# Altium PCB AUV4.5-2 Lights Control Board.PcbDoc (part 1 of 2)
Units mm, origin at the board's own origin, x right, y up, seen from the top; angles counter-clockwise.
Board outline 55 x 65 mm, 4 copper layers (L1 (SIG + PWR), L2 (GND), L3 (GND), L4 (SIG + PWR)), stack 1.586 mm thick; 88 components, 83 nets, 348 pads, 169 vias.
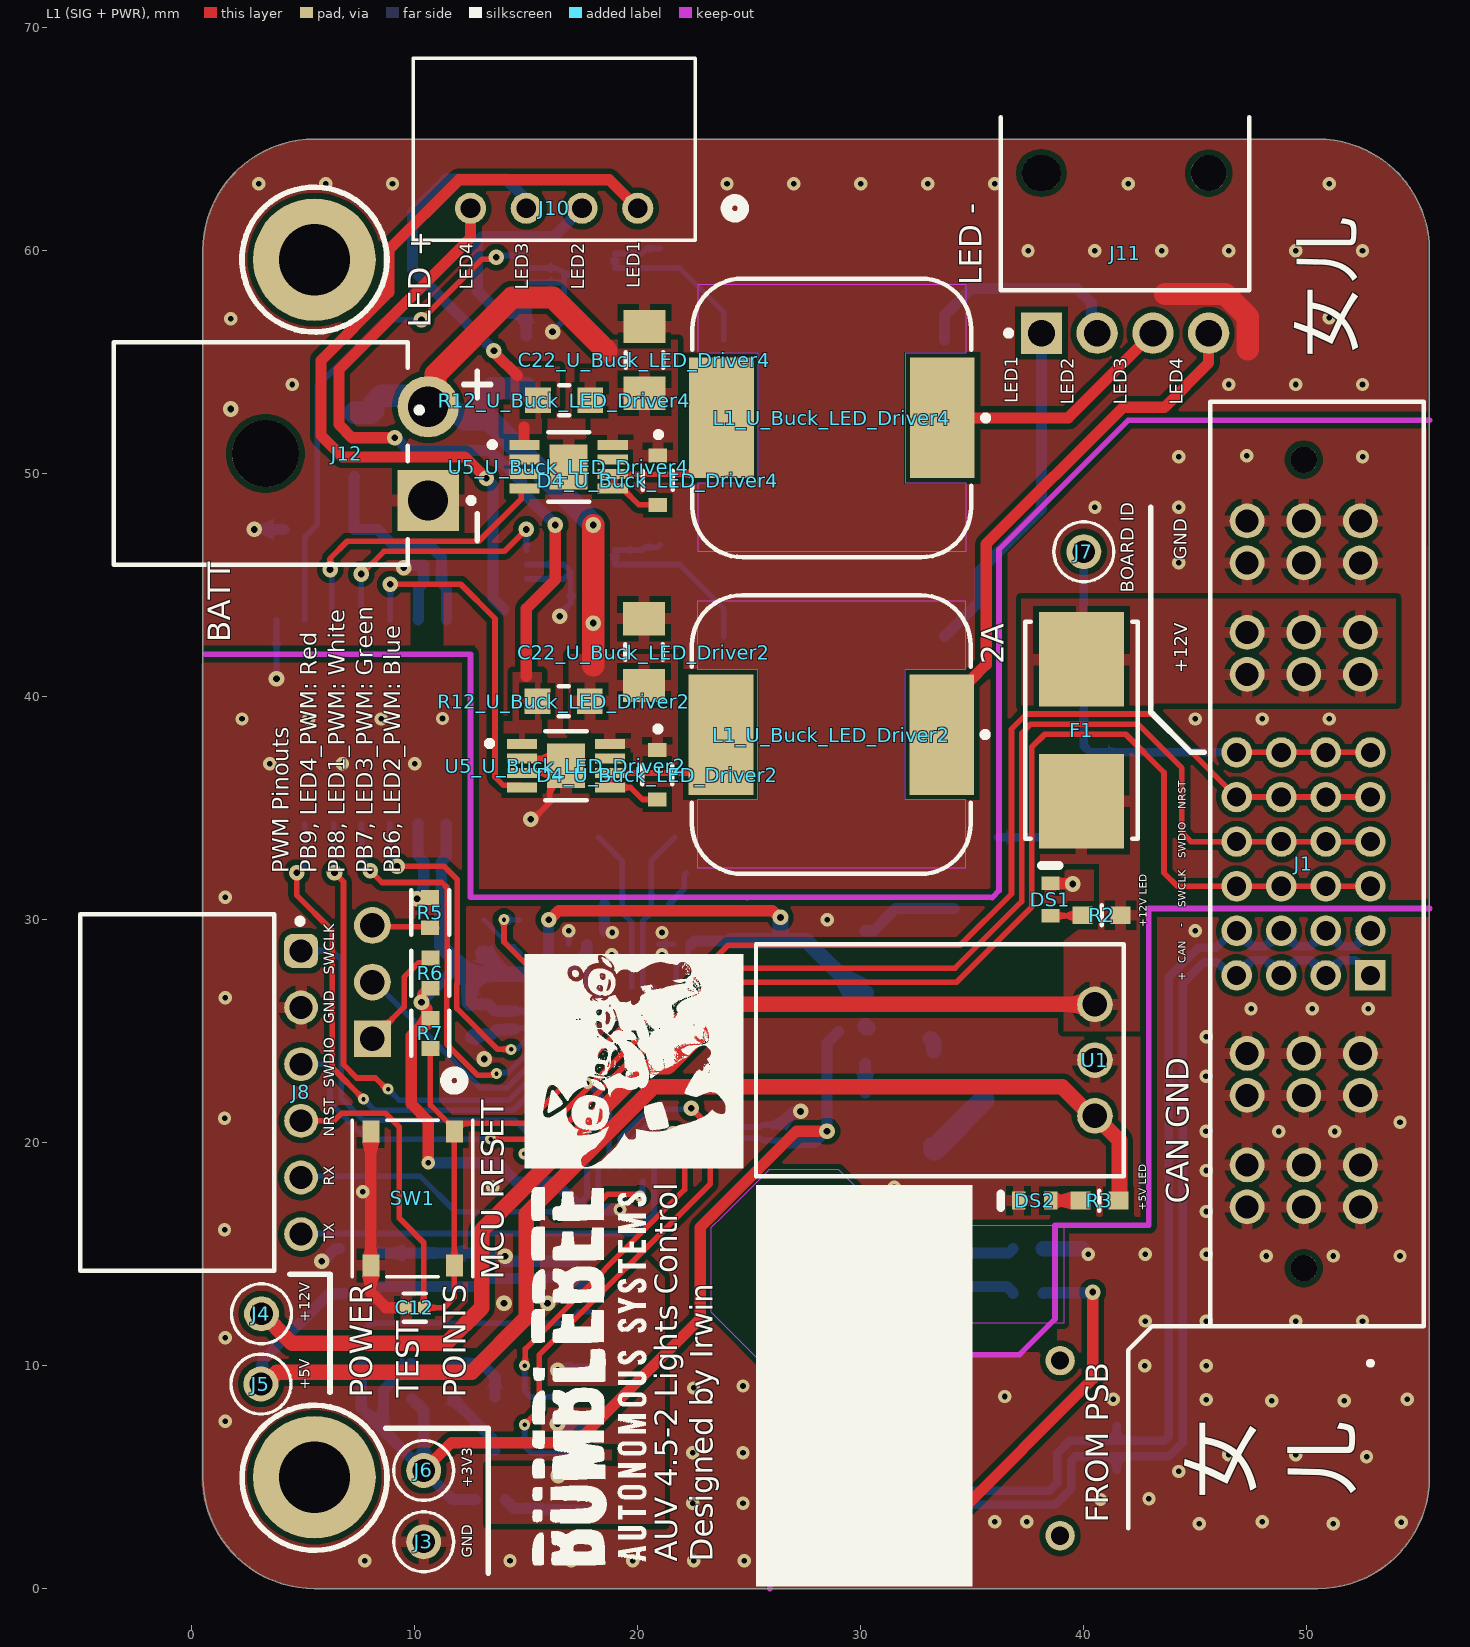
[diagram p0: L1 (SIG + PWR) view]
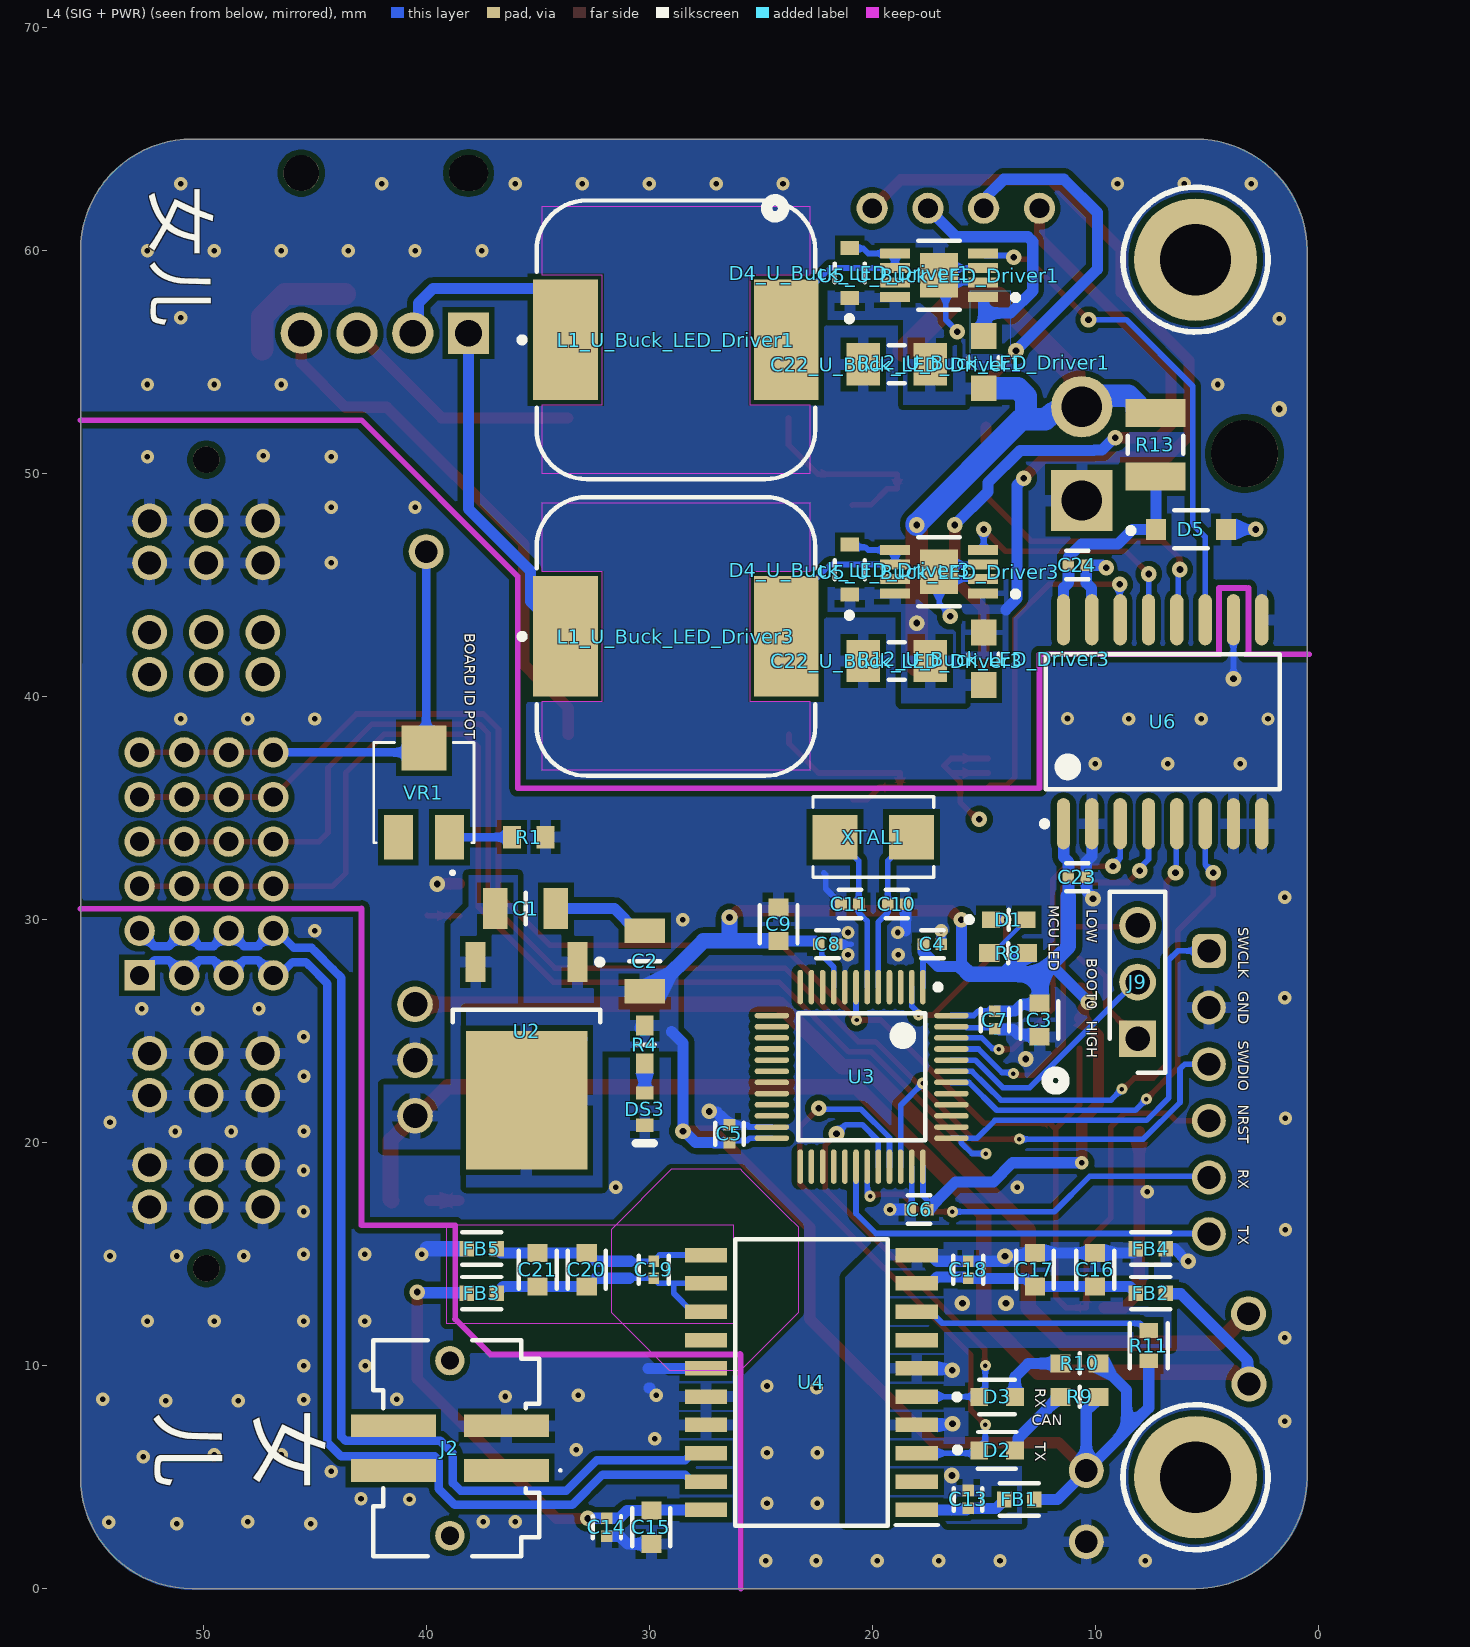
[diagram p1: L4 (SIG + PWR) view, seen from below]
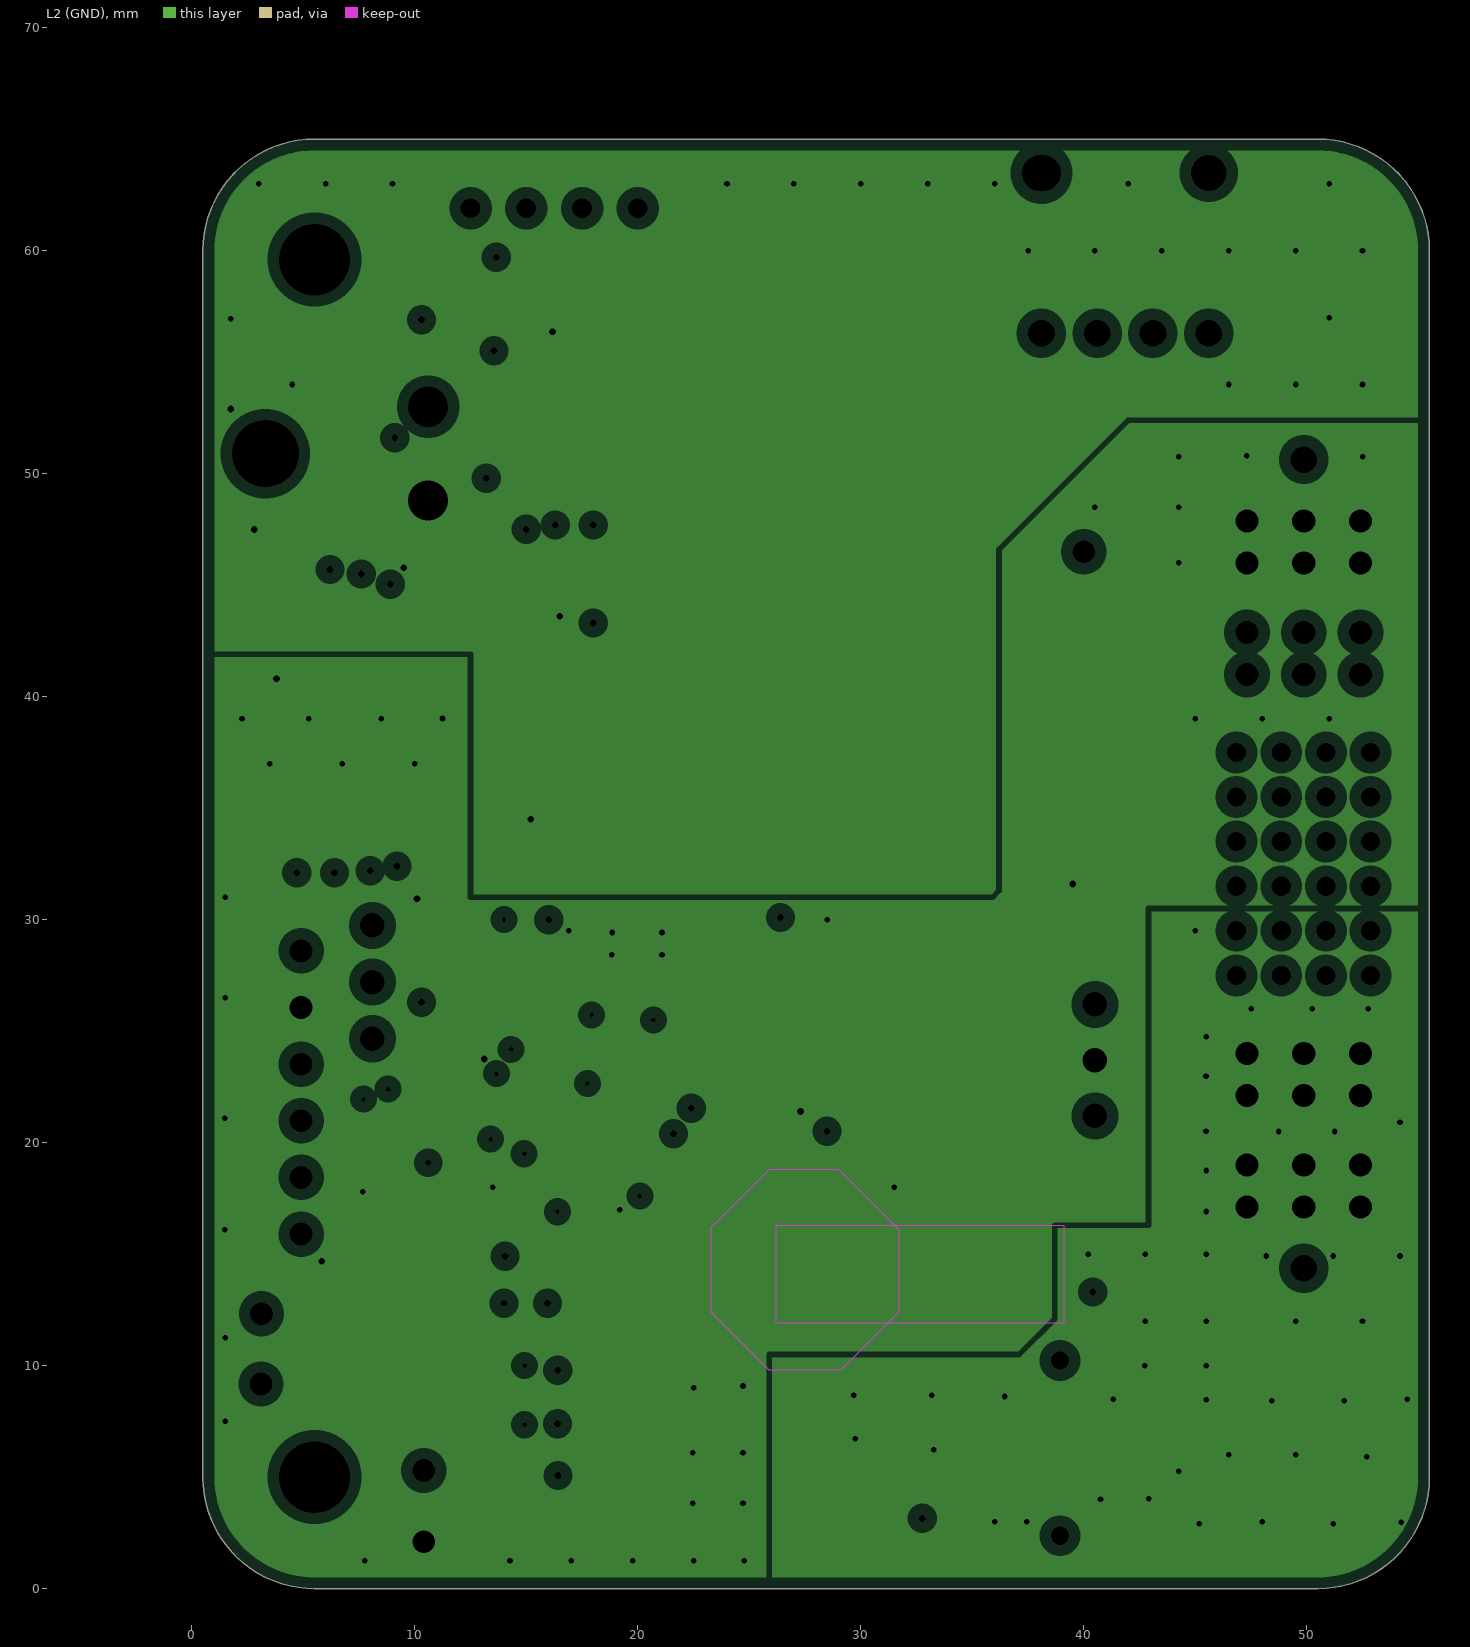
[diagram p2: L2 (GND), clearances drawn from the general rule]
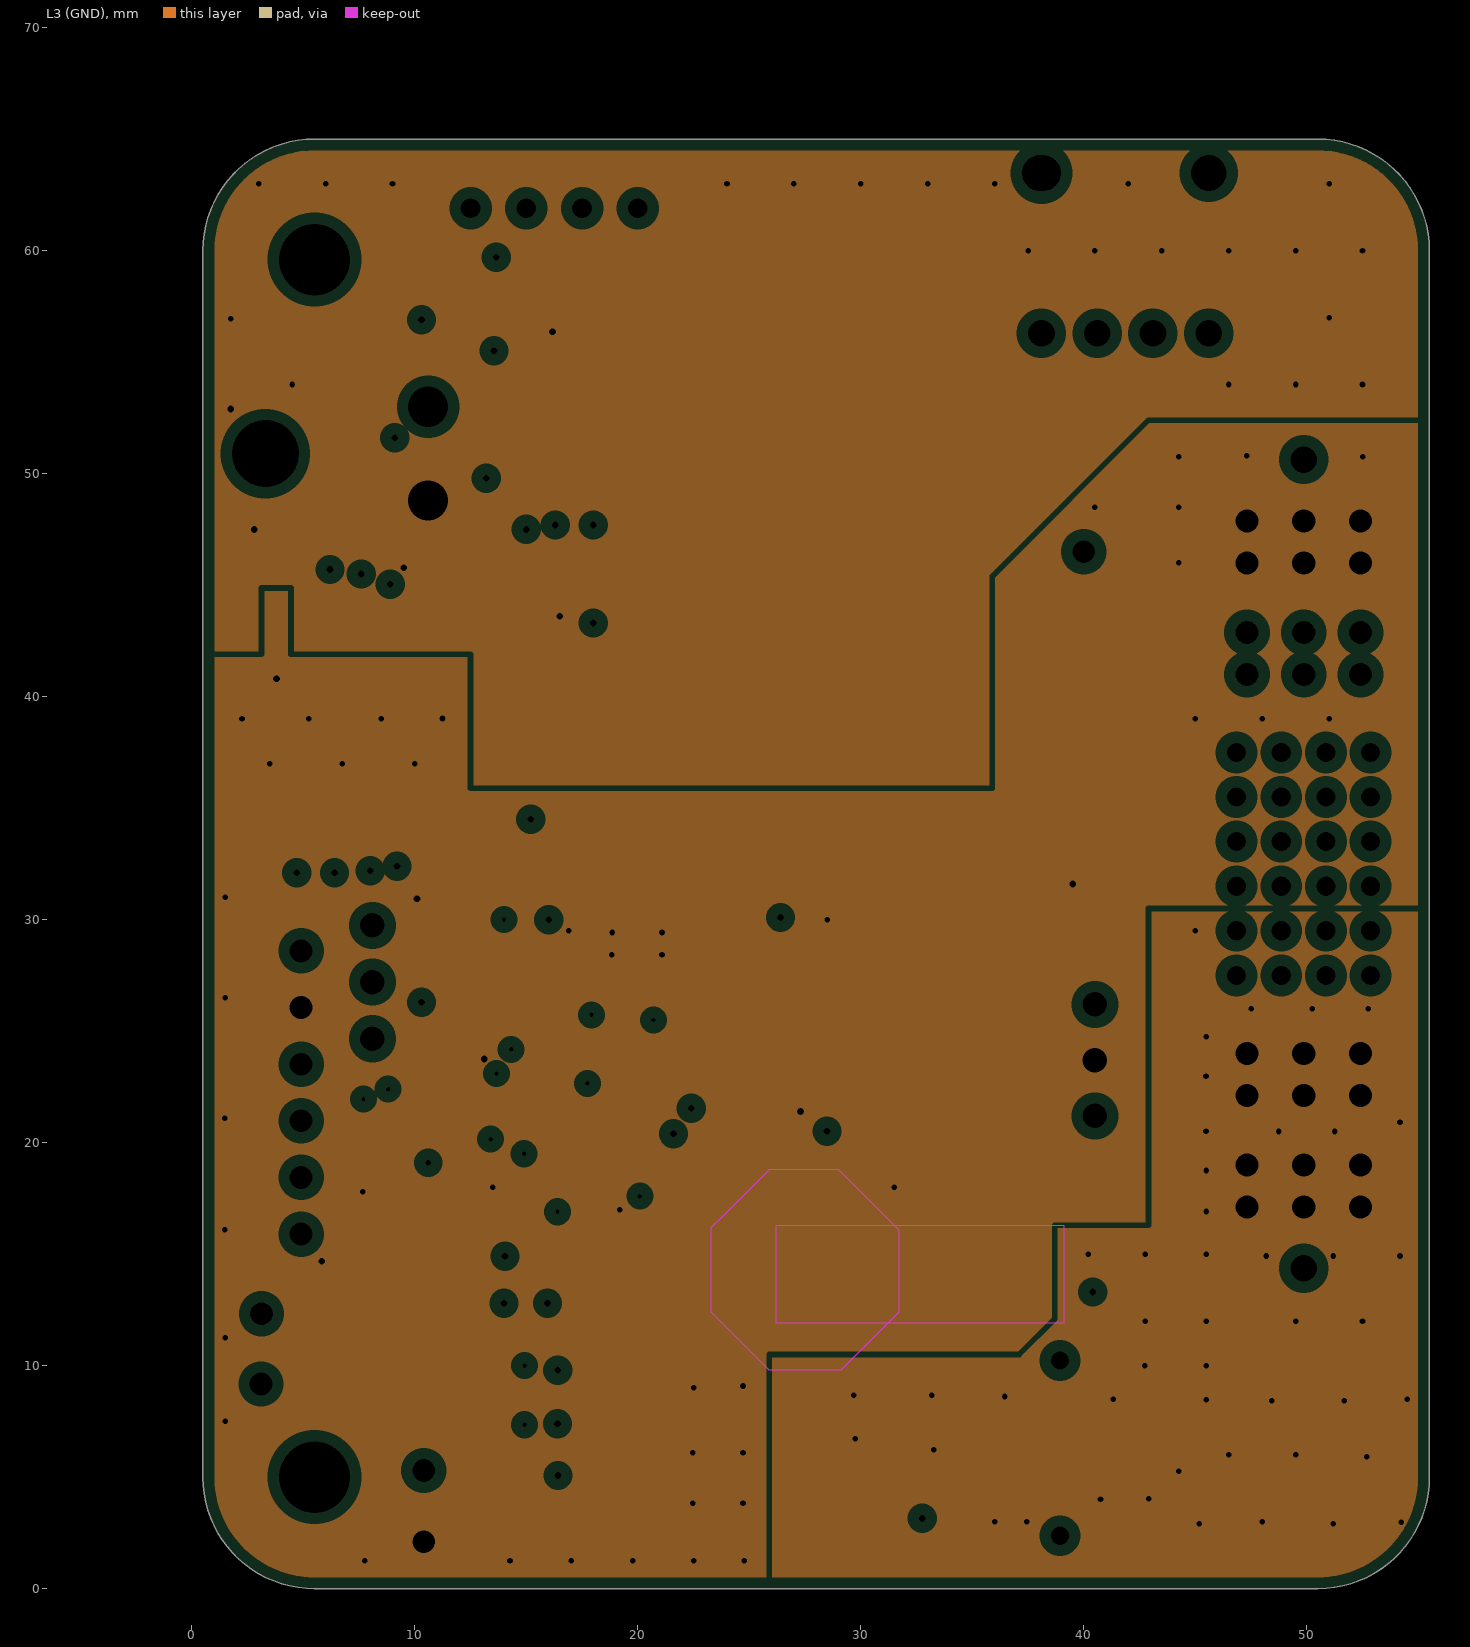
[diagram p3: L3 (GND), clearances drawn from the general rule]
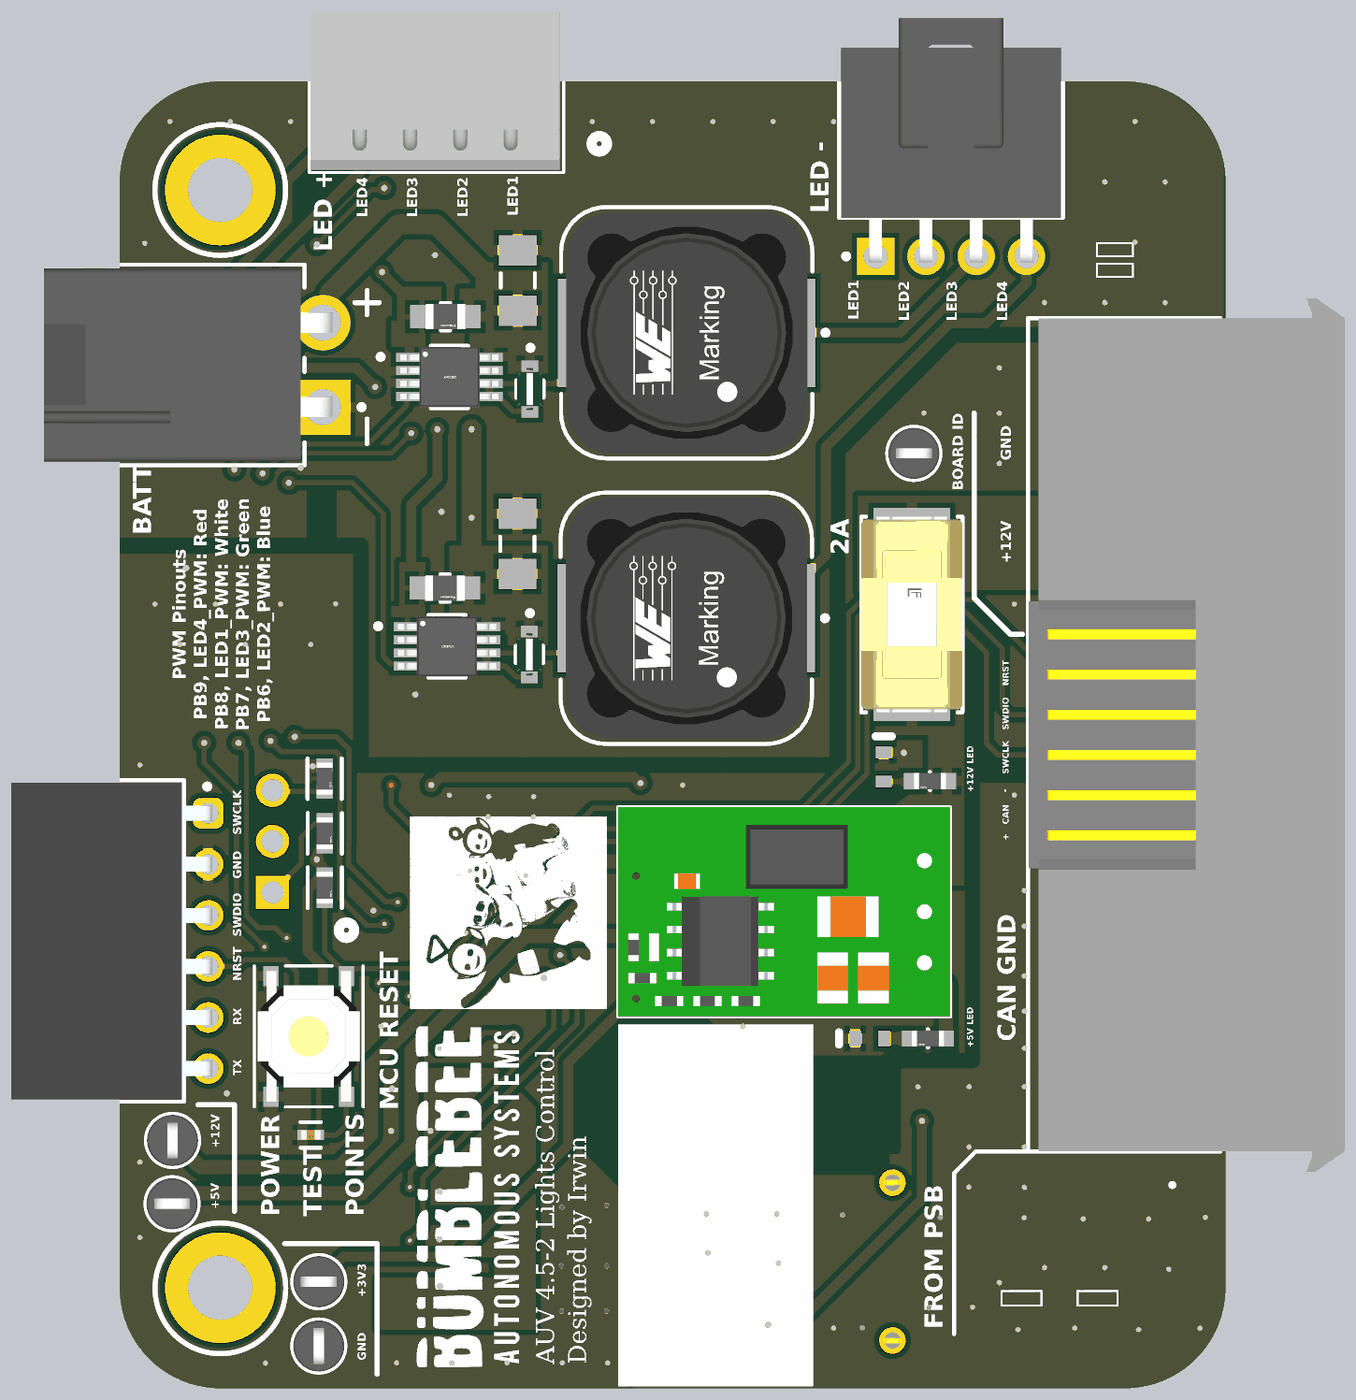
[diagram p5: 3D render of the assembled board from above, using the file's embedded part models]
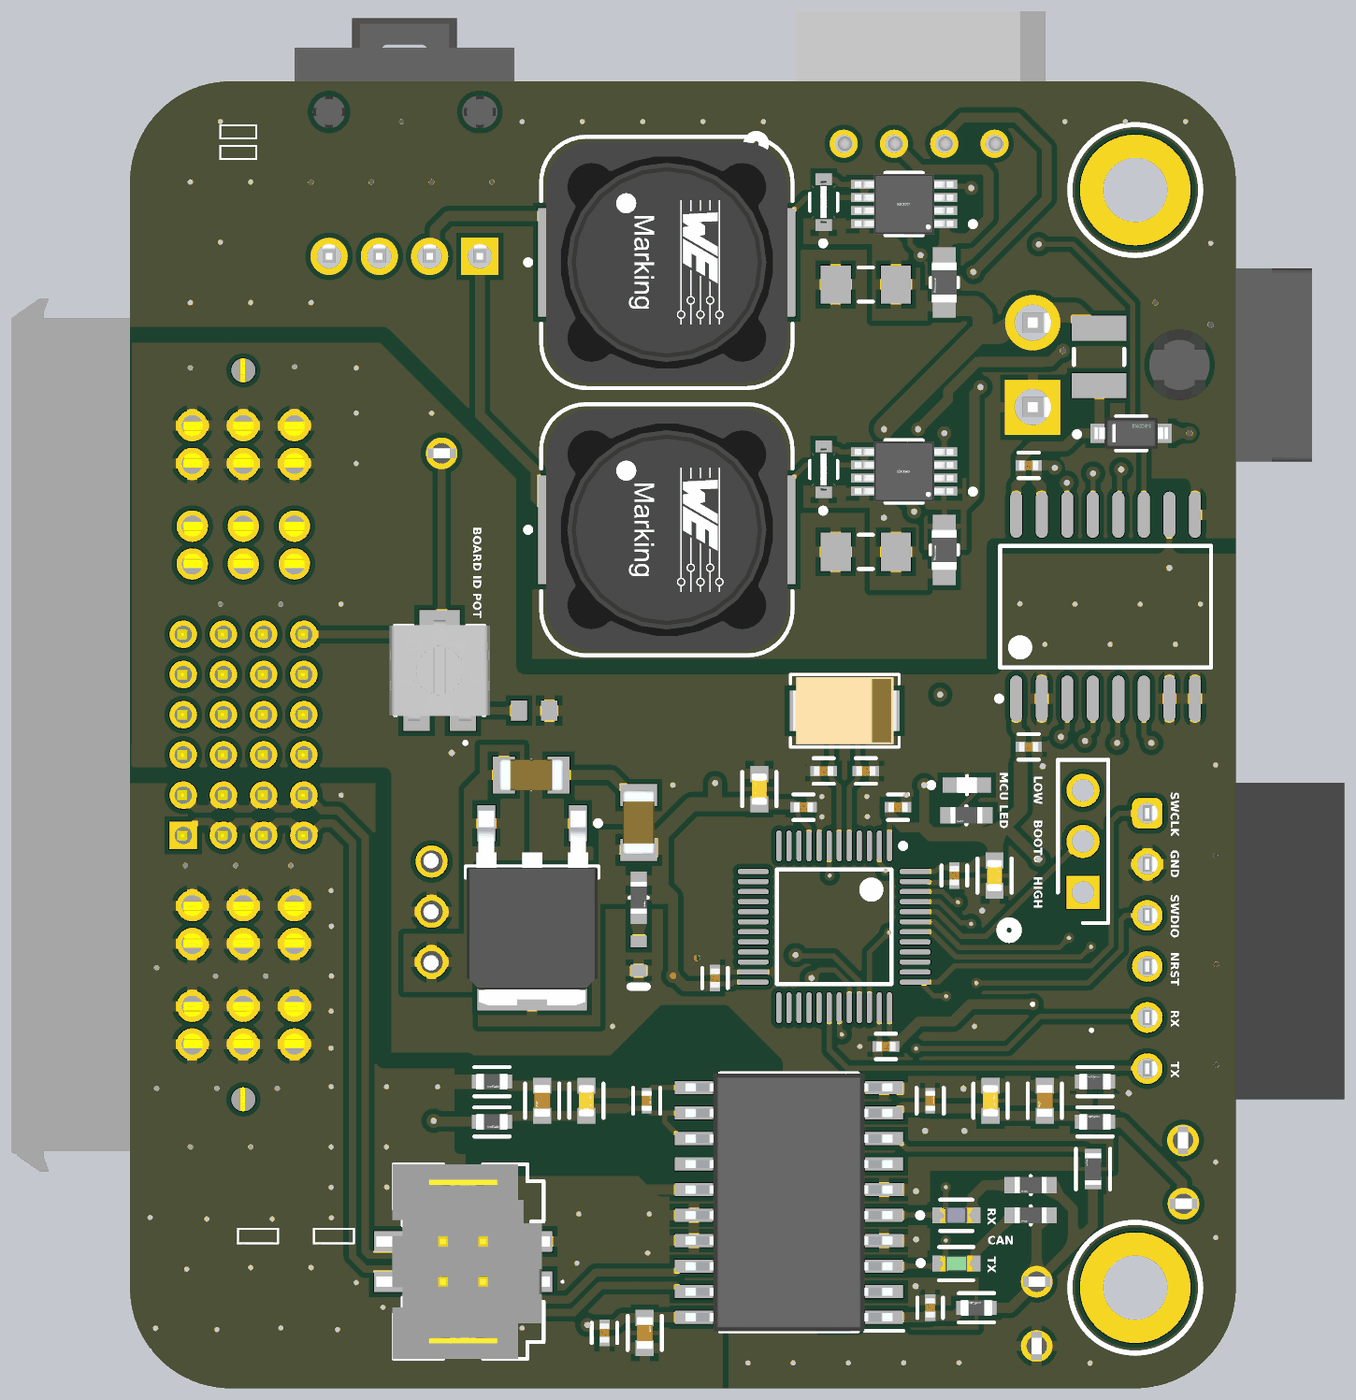
[diagram p6: 3D render of the assembled board from below, using the file's embedded part models]

## Layer stack, top to bottom
Top Solder: solder mask 0.0069, Solder Resist, Dk 3.5
L1 (SIG + PWR): signal copper 0.035
Dielectric 2: prepreg 0.2104, PP-006, Dk 4.1
L2 (GND): plane copper 0.0152, net (Multiple Nets)
Dielectric 1: dielectric 1.065, FR-4, Dk 4.8
L3 (GND): plane copper 0.0152, net (Multiple Nets)
Dielectric 3: prepreg 0.2104, PP-006, Dk 4.1
L4 (SIG + PWR): signal copper 0.035
Bottom Solder: solder mask 0.0069, Solder Resist, Dk 3.5

## Board outline
0.5,5 0.5,60 cw(c5.5,60) 5.5,65 50.5,65 cw(c50.5,60) 55.5,60 55.5,5 cw(c50.5,5) 50.5,0 5.5,0 cw(c5.5,5)

## Design rules (kind name [scope] priority, off if disabled: settings)
Clearance "Clearance High Voltage" [(InNetClass('High Voltage Nets'))] p1: gap=1 ignorepadtopadclearanceinfootprint=FALSE except(0: SMDPad-Hole THPad-Hole Via-Hole Fill-Hole Poly-Hole Region-Hole Text-Hole; 0.254: Arc-Text Arc-Hole Track-Text Track-Hole SMDPad-Text THPad-Text Via-Text Fill-Text Poly-Text Region-Text Text-Text; 0.6: THPad-THPad; 0.65: SMDPad-SMDPad; 0.8: Arc-SMDPad Track-SMDPad)
Clearance Clearance_DiffNet [All] p2: gap=0.254 ignorepadtopadclearanceinfootprint=TRUE except(0.127: SMDPad-SMDPad; 0.2: Arc-Arc Arc-Track Arc-SMDPad Track-Track Track-SMDPad; 0.33: Arc-THPad Track-THPad)
Clearance Clearance_SameNetTrack [IsTrack vs IsTrack] p3: gap=0.25 ignorepadtopadclearanceinfootprint=TRUE
ComponentClearance [All] p1: gap=0.254 collisioncheckmode=3 verticalgap=0.254 showdistances=TRUE checkcomponentboundary=TRUE
DiffPairsRouting [All] p1: maxlimit=0.254 minlimit=0.254 mostfreqgap=0.254 toplayer_minwidth=0.254 toplayer_maxwidth=0.381 toplayer_prefwidth=0.381 bottomlayer_minwidth=0.254 bottomlayer_maxwidth=0.381 bottomlayer_prefwidth=0.381 maxuncoupledlength=12.7
Height [All] p1: minheight=0 maxheight=50 prefheight=5
HoleSize [All] p1: absolutevalues=TRUE maxlimit=6.3 minlimit=0.2 maxpercent=80.000 minpercent=20.000
MinimumSolderMaskSliver [All] p1: minsoldermaskwidth=0.051
PlaneClearance "PlaneClearance_High Voltage" [InNetClass('High Voltage Nets')] p1: clearance=1
PlaneClearance [All] p2: clearance=0.508
PlaneConnect PlaneConnect_GroundClass [InNetClass('Ground')] p1: planeconnectstyle=Direct reliefexpansion=0.508 reliefentries=4 reliefconductorwidth=0.508 reliefairgap=0.254
PlaneConnect PlaneConnect_PowerClass [InNetClass('Power')] p2: planeconnectstyle=Direct reliefexpansion=0.508 reliefentries=4 reliefconductorwidth=0.508 reliefairgap=0.254
PolygonConnect PolygonConnect_PowerClass [InNetClass('Power')] p1: thpad.connectstyle=Relief thpad.reliefconductorwidth=0.508 thpad.reliefentries=4 thpad.polygonreliefangle="90 Angle" thpad.airgapwidth=0.254 smdpad.connectstyle=Relief smdpad.reliefconductorwidth=0.508 smdpad.reliefentries=4 smdpad.polygonreliefangle="90 Angle" smdpad.airgapwidth=0.254 via.connectstyle=Direct via.reliefconductorwidth=0.508 via.reliefentries=4 via.polygonreliefangle="90 Angle" via.airgapwidth=0.254
PolygonConnect PolygonConnect_GroundClass [InNetClass('Ground')] p2: thpad.connectstyle=Relief thpad.reliefconductorwidth=0.508 thpad.reliefentries=4 thpad.polygonreliefangle="90 Angle" thpad.airgapwidth=0.254 smdpad.connectstyle=Relief smdpad.reliefconductorwidth=0.508 smdpad.reliefentries=4 smdpad.polygonreliefangle="90 Angle" smdpad.airgapwidth=0.254 via.connectstyle=Direct via.reliefconductorwidth=0.508 via.reliefentries=4 via.polygonreliefangle="90 Angle" via.airgapwidth=0.254
PolygonConnect [All] p3: thpad.connectstyle=Relief thpad.reliefconductorwidth=0.254 thpad.reliefentries=4 thpad.polygonreliefangle="90 Angle" thpad.airgapwidth=0.254 smdpad.connectstyle=Relief smdpad.reliefconductorwidth=0.254 smdpad.reliefentries=4 smdpad.polygonreliefangle="90 Angle" smdpad.airgapwidth=0.254 via.connectstyle=Direct via.reliefconductorwidth=0.254 via.reliefentries=4 via.polygonreliefangle="90 Angle" via.airgapwidth=0.254
RoutingVias [All] p1: holewidth=0.25 width=0.6 viastyle="Through Hole" minholewidth=0.2 minwidth=0.5 maxholewidth=0.3 maxwidth=0.7
SilkToSilkClearance [All] p1: silktosilkclearance=0.229
SilkToSolderMaskClearance [All] p1: minsilkscreentomaskgap=0.15 clearancetoexposedcopper=TRUE
SolderMaskExpansion SolderMaskExpansion_Via [IsVia] p1: expansion=0.102 istentingtop=TRUE
SolderMaskExpansion [All] p2: expansion=0.05 istentingtop=FALSE
SupplyNets "Schematic Supply Nets_1" [InNet('+12V_IN')] p1: voltage=0.000
SupplyNets "Schematic Supply Nets_2" [InNet('+5.1V_UN-ISO')] p2: voltage=0.000